# Altium PCB EPROM Emulator NG 2.PcbDoc (part 1 of 2)
Units mm, origin at the board's own origin, x right, y up, seen from the top; angles counter-clockwise.
Board outline 68.07 x 37.39 mm, 2 copper layers (Top Layer, Bottom Layer), stack 1.569 mm thick; 55 components, 111 nets, 358 pads, 137 vias.
Unrouted connection lines stored in the file: 1.
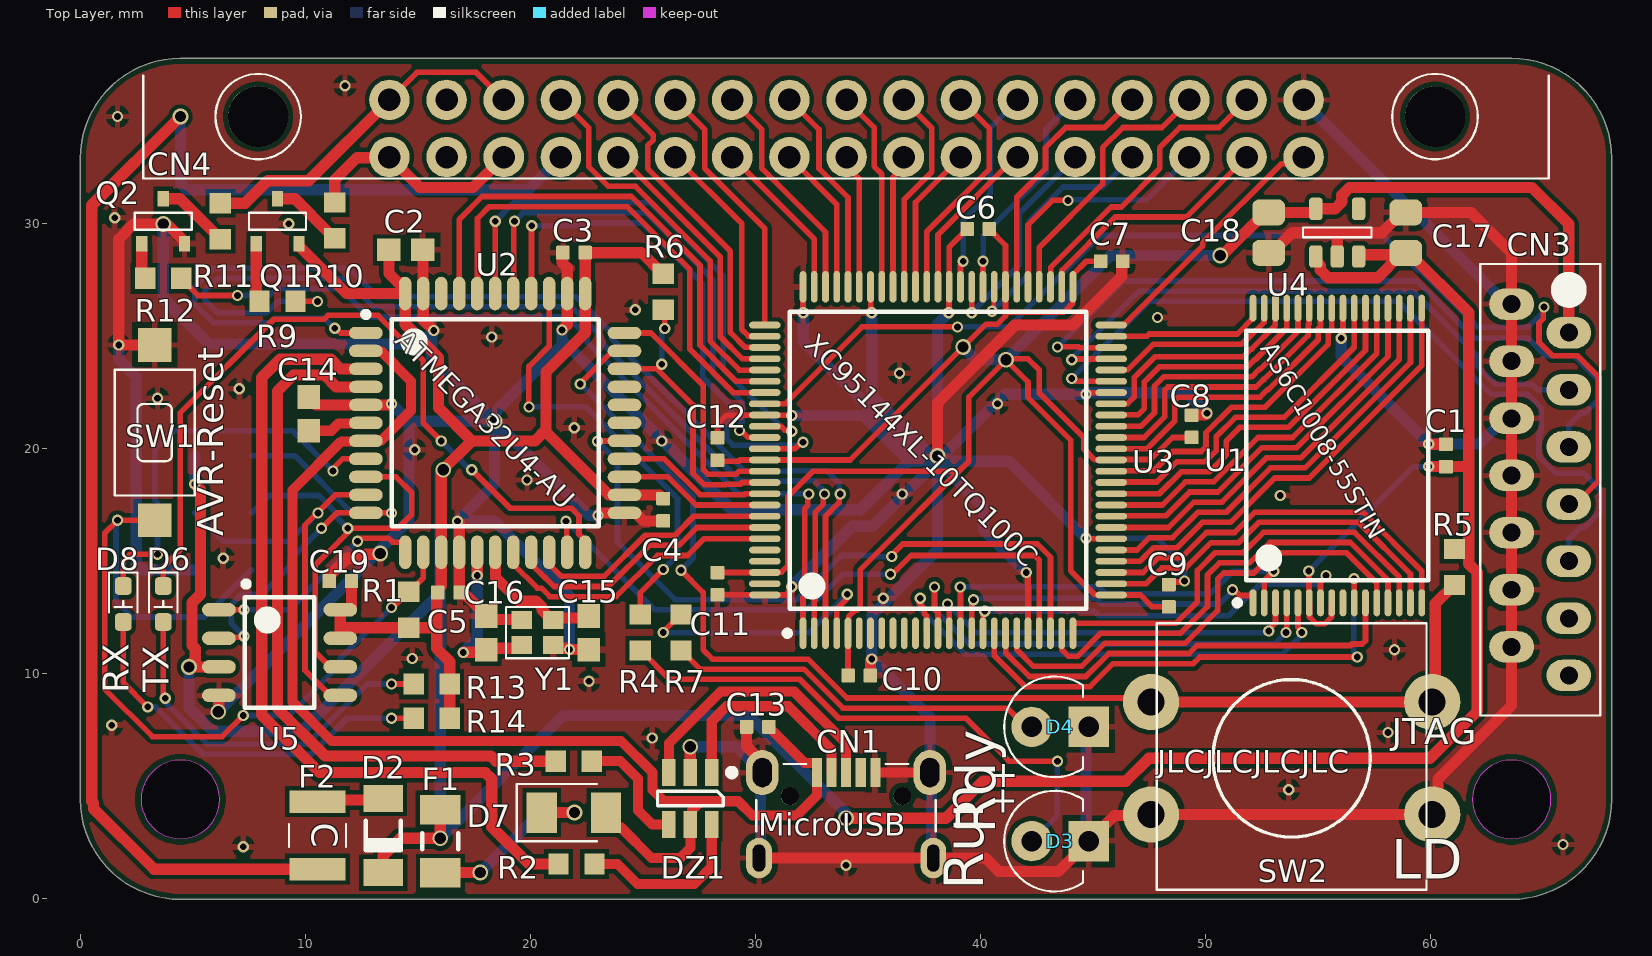
[diagram p0: Top Layer view]
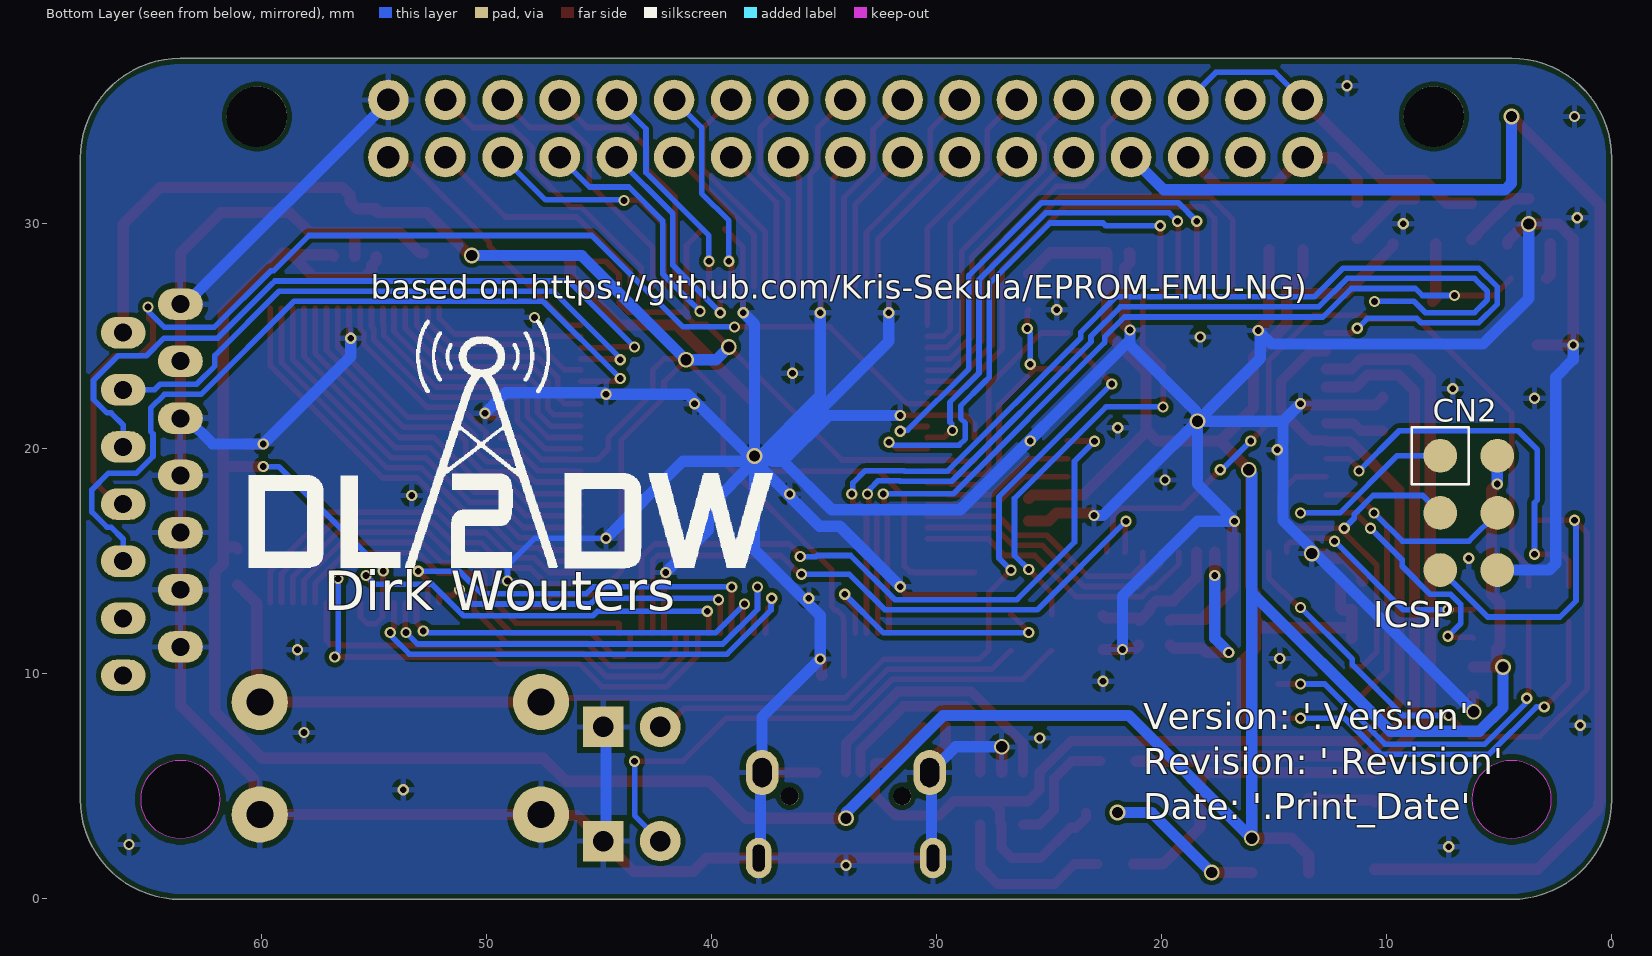
[diagram p1: Bottom Layer view, seen from below]
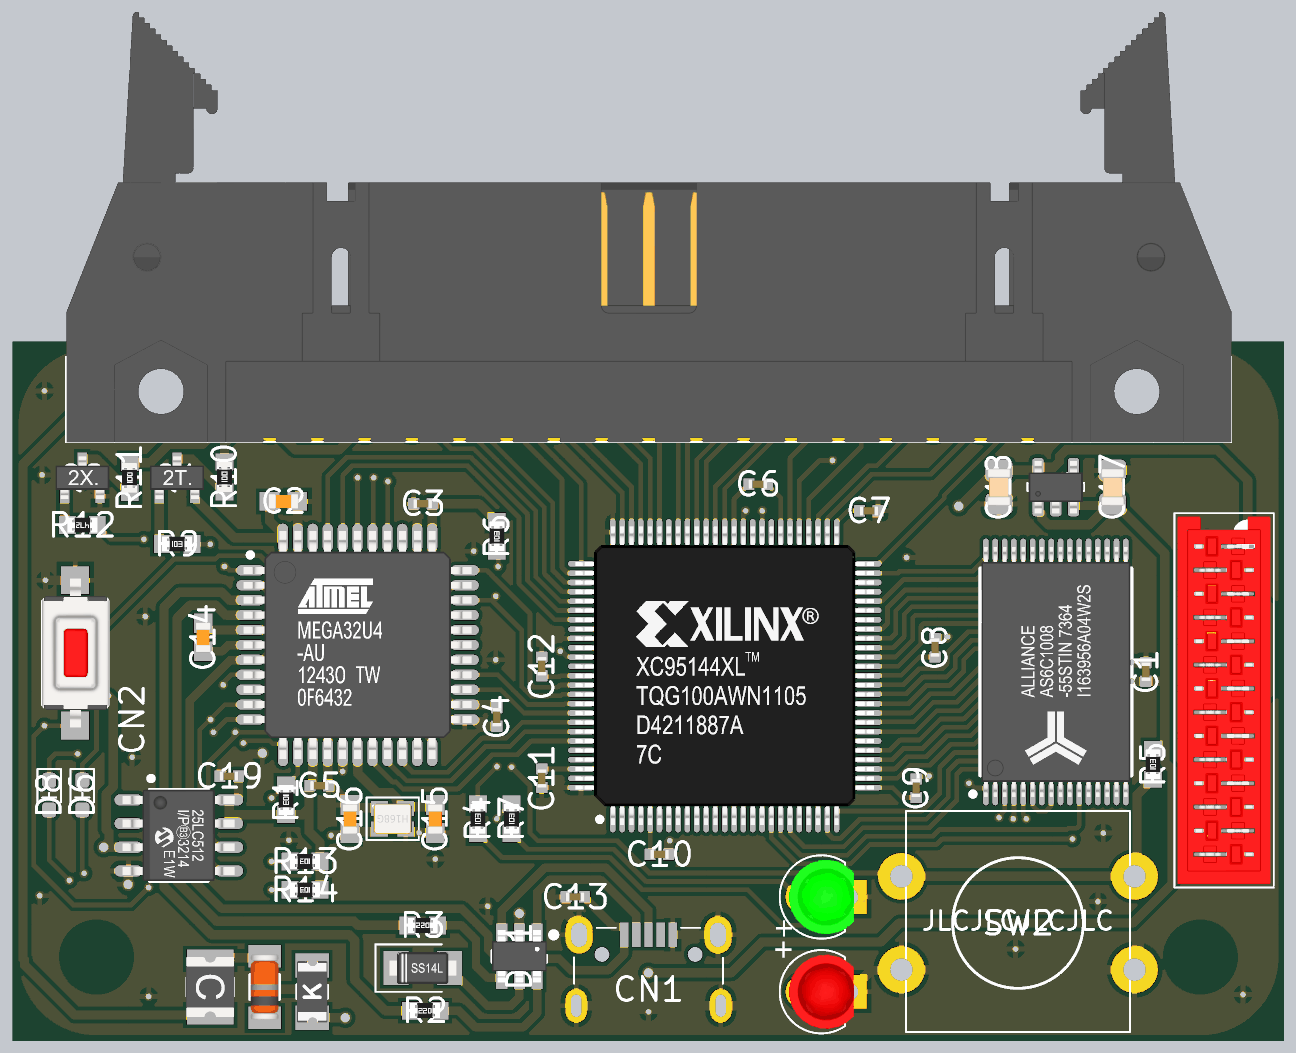
[diagram p3: 3D render of the assembled board from above, using the file's embedded part models]

## Layer stack, top to bottom
Top Solder: solder mask 0.0254, SM-001, Dk 4
Top Layer: signal copper 0.035
Dielectric 1: core 1.4986, Core-043, Dk 4.3
Bottom Layer: signal copper 0.035
Bottom Solder: solder mask 0.0254, SM-001, Dk 4

## Board outline
0,4.397 0,32.893 cw(c4.445,32.893) 4.445,37.338 63.627,37.338 cw(c63.627,32.893) 68.072,32.893 68.072,4.397 cw(c63.627,4.397) 63.627,-0.048 4.445,-0.048 cw(c4.445,4.397)
cut-out: 61.877,4.397 ccw(c63.627,4.397) 63.627,2.647 ccw(c63.627,4.397) 65.377,4.397 ccw(c63.627,4.397) 63.627,6.147 ccw(c63.627,4.397)
cut-out: 2.695,4.397 ccw(c4.445,4.397) 4.445,2.647 ccw(c4.445,4.397) 6.195,4.397 ccw(c4.445,4.397) 4.445,6.147 ccw(c4.445,4.397)

## Design rules (kind name [scope] priority, off if disabled: settings)
BoardOutlineClearance [All] p1: gap=0.254 ignorepadtopadclearanceinfootprint=FALSE
Clearance [All] p1: gap=0.2 ignorepadtopadclearanceinfootprint=TRUE
ComponentClearance ComponentClearance_Sheet [HasFootprint('PCB Title Block DIN A4')] p1: gap=0 collisioncheckmode=3 verticalgap=0 showdistances=FALSE
ComponentClearance [All] p2: gap=0.254 collisioncheckmode=3 verticalgap=0.254 showdistances=FALSE
HoleSize [All] p1: absolutevalues=TRUE maxlimit=5 minlimit=0.025 maxpercent=80.000 minpercent=20.000
MinimumSolderMaskSliver [All] p1: minsoldermaskwidth=0.103
PolygonConnect [All] p1: connectstyle=Relief reliefconductorwidth=0.254 reliefentries=4 polygonreliefangle="90 Angle" airgapwidth=0.254
RoutingVias RoutingVias_Power [(InNet('VCC') OR InNet('GND') OR InNet('+5V'))] p1: holewidth=0.3 width=0.5 viastyle="Through Hole" minholewidth=0.3 minwidth=0.5 maxholewidth=0.5 maxwidth=0.7
RoutingVias [All] p2: holewidth=0.3 width=0.5 viastyle="Through Hole" minholewidth=0.3 minwidth=0.5 maxholewidth=0.5 maxwidth=0.7
SilkToSilkClearance [All] p1: silktosilkclearance=0
SilkToSolderMaskClearance [IsPad] p1: minsilkscreentomaskgap=0 clearancetoexposedcopper=TRUE
SolderMaskExpansion [All] p1: expansion=0.038 istentingtop=FALSE
UnRoutedNet [All] p1: checkbadconnections=TRUE
Width Width_Power [(InNet('VCC') OR InNet('GND') OR InNet('+5V'))] p1: maxlimit=0.5 minlimit=0.25 preferedwidth=0.5
Width [All] p2: maxlimit=0.5 minlimit=0.2 preferedwidth=0.25
24 further rules are at their usual default settings.

## Components (designator, comment, footprint, x,y, rotation, side; value= is the part's Value field where it differs from the comment)
C1 "100nF" "CAP CER SMD 0402 100nF 10V Murata GRM155R71A104KA01D" 60.706,19.685 r270 top
C2 "1µF" "CAP 1µF SMD 0603 C0603C105K3RACTU" 14.466,28.829 r180 top
C3 "100nF" "CAP CER SMD 0402 100nF 10V Murata GRM155R71A104KA01D" 21.945,28.702 r0 top
C4 "100nF" "CAP CER SMD 0402 100nF 10V Murata GRM155R71A104KA01D" 25.908,17.272 r90 top
C5 "100nF" "CAP CER SMD 0402 100nF 10V Murata GRM155R71A104KA01D" 16.383,13.589 r180 top
C6 "100nF" "CAP CER SMD 0402 100nF 10V Murata GRM155R71A104KA01D" 39.915,29.752 r0 top
C7 "100nF" "CAP CER SMD 0402 100nF 10V Murata GRM155R71A104KA01D" 45.847,28.321 r180 top
C8 "100nF" "CAP CER SMD 0402 100nF 10V Murata GRM155R71A104KA01D" 49.403,20.982 r270 top
C9 "100nF" "CAP CER SMD 0402 100nF 10V Murata GRM155R71A104KA01D" 48.387,13.449 r270 top
C10 "100nF" "CAP CER SMD 0402 100nF 10V Murata GRM155R71A104KA01D" 34.621,9.906 r180 top
C11 "100nF" "CAP CER SMD 0402 100nF 10V Murata GRM155R71A104KA01D" 28.321,13.986 r90 top
C12 "100nF" "CAP CER SMD 0402 100nF 10V Murata GRM155R71A104KA01D" 28.321,19.977 r270 top
C13 "100nF" "CAP CER SMD 0402 100nF 10V Murata GRM155R71A104KA01D" 30.112,7.62 r0 top
C14 "1µF" "CAP 1µF SMD 0603 C0603C105K3RACTU" 10.16,21.536 r90 top
C15 "22pF" "CAP 22pF SMD 0603 C0603C220J5RAC7867" 22.606,11.8 r90 top
C16 "22pF" "CAP 22pF SMD 0603 C0603C220J5RAC7867" 18.034,11.8 r270 top
C17 "10µF" "Kemet C0805CxxxK8RACTU Series H=1.4mm" 58.922,29.591 r270 top
C18 "10µF" "Kemet C0805CxxxK8RACTU Series H=1.4mm" 52.826,29.591 r90 top
C19 "100nF" "CAP CER SMD 0402 100nF 10V Murata GRM155R71A104KA01D" 11.557,14.097 r0 top
CN1 "MicroUSB" "MicroUSB Connector Right Angle Receptacle (Würth 629105150521)" 34.036,2.667 r0 top locked
CN2 "ICSP" "SMD PAD CONN 02x03 odd even" 6.35,17.133 r270 bottom
CN3 "JTAG" "MPE 369-1-014 Buchsenleisten MicroMatch 1,27 mm,2X10,gerade" 64.897,18.161 r270 top locked
CN4 "Connector to EPROM Socket" "IDC Header 2x17 Right Angle with Lock" 13.741,32.952 r0 top locked
D2 "TMMBAT48FILM" "MiniMELF Diode" 13.462,2.79 r90 top
D3 "Run" "LED 3mm Red Straight" 44.831,2.54 r270 top
D4 "Rdy" "LED 3mm Green Straight" 44.831,7.62 r270 top
D6 "TX" "LED Yellow SMD 0603" 3.683,13.081 r270 top
D7 "SS14FL-TP" SS14FL 21.938,3.81 r0 top
D8 "RX" "LED Yellow SMD 0603" 1.905,13.081 r270 top
DZ1 "USBLC6-2SC6" USBLC6-2SC6 27.117,4.438 r270 top
F1 "1206L150THWR" "Littelfuse 1206L150THWR" 16.002,2.54 r90 top
F2 "1210L020WR" "PTC Littlefuse 1210L020WR" 10.541,2.794 r270 top
Q1 "MMBT4403LT1G" "MMBT4403 SOT23" 8.763,30.099 r0 top
Q2 "MMBT4401" "MMBT4401 SOT23" 3.683,30.099 r0 top
R1 "1k" "1k Ohm R 0603 SMD" 14.605,12.827 r270 top
R2 "22" "22 Ohm R 0603 SMD" 22.06,1.524 r180 top
R3 "22" "22 Ohm R 0603 SMD" 21.933,6.096 r180 top
R4 "1k" "1k Ohm R 0603 SMD" 24.892,11.811 r90 top
R5 "10k" "10k Ohm R 0603 SMD" 61.087,14.732 r90 top
R6 "10k" "10k Ohm R 0603 SMD" 25.908,26.962 r90 top
R7 "1k" "1k Ohm R 0603 SMD" 26.699,11.811 r90 top
R9 "10k" "10k Ohm R 0603 SMD" 8.763,26.543 r0 top
R10 "10" "10R Ohm R 0603 SMD" 11.303,30.137 r90 top
R11 "10" "10R Ohm R 0603 SMD" 6.223,30.099 r90 top
R12 "4k7" "4,7k Ohm R 0603 SMD" 3.683,27.559 r180 top
R13 "1k" "1k Ohm R 0603 SMD" 15.621,9.525 r180 top
R14 "1k" "1k Ohm R 0603 SMD" 15.621,8.001 r180 top
SW1 "AVR-Reset" "Tactile Switch Push Button 6x3.6mm H2.5mm SMD RS-282G05A3-SM RT" 3.302,20.701 r270 top
SW2 "LD" "Push Button 12x12mm H8.50mm THT" 53.848,6.223 r180 top
U1 "AS6C1008-55STIN" AS6C1008-55STIN 55.88,19.685 r90 top locked
U2 "ATMEGA32U4-AU" ATmega32U4-AU 18.44,21.133 r0 top locked
U3 "XC95144XL-10TQ100C" "TQFP-100 P0.5mm XC95144XL-7TQ100C" 38.125,19.482 r90 top locked
U4 "SPX5205M5-L-3-3/TR" SOT-23-5 55.874,29.591 r0 top
U5 "25LC512-I/SN" "25LC512 SOIC-8" 8.857,10.922 r0 top locked
Y1 "16MHz" "Crystal 16MHz SMD 2.0x1.6mm 4pos GND2-4" 20.32,11.811 r180 top

## Footprints (in the part's own frame and the unit in brackets; to place one, negate y for a bottom-side part, rotate by r counter-clockwise, add the part's x,y. Pads: shape width x height; smd on the part's side, far side on the other; paste and mask are expansions set on the pad)
"1k Ohm R 0603 SMD" [mm] "Chip Resistor 2-Leads, Body 1,60x0,80mm, IPC Medium Density"
  rect 0.9x0.95 smd: 1(-0.8,0) 2(0.8,0)
  body extent -0.8,-0.4 0.8,0.4, height 0.45
"4,7k Ohm R 0603 SMD" [mm] "Chip Resistor 2-Leads, Body 1,60x0,80mm, IPC Medium Density"
  rect 0.9x0.95 smd: 1(-0.8,0) 2(0.8,0)
  body extent -0.8,-0.4 0.8,0.4, height 0.44
"10k Ohm R 0603 SMD" [mm] "Chip Resistor 2-Leads, Body 1,60x0,80mm, IPC Medium Density"
  rect 0.9x0.95 smd: 1(-0.8,0) 2(0.8,0)
  body extent -0.8,-0.4 0.8,0.4, height 0.45
"10R Ohm R 0603 SMD" [mm] "Chip Resistor 2-Leads, Body 1,60x0,80mm, IPC Medium Density"
  rect 0.9x0.95 smd: 1(-0.8,0) 2(0.8,0)
  body extent -0.8,-0.4 0.8,0.4, height 0.45
"22 Ohm R 0603 SMD" [mm] "Chip Resistor 2-Leads, Body 1,60x0,80mm, IPC Medium Density"
  rect 0.9x0.95 smd: 1(-0.8,0) 2(0.8,0)
  body extent -0.8,-0.4 0.8,0.4, height 0.45
"25LC512 SOIC-8" [mm] "SOIC, 8-Leads, Body 4,90x3,90mm, Pitch 1,27mm, IPC Medium Density"
  oval 1.5x0.6 smd: 1(-2.7,1.905) 2(-2.7,0.635) 3(-2.7,-0.635) 4(-2.7,-1.905) 5(2.7,-1.905) 6(2.7,-0.635) 7(2.7,0.635) 8(2.7,1.905)
  silkscreen extent -1.62,-2.45 1.55,3.17, body extent -3.01,-2.45 2.99,2.45, height 1.73
AS6C1008-55STIN [mm] "SRAM Speicher; 128kx8bit; 2,7÷5,5V; 55ns; STSOP32; parallel"
  oval 1.2x0.3 smd: 1(-6.55,3.75) 2(-6.55,3.25) 3(-6.55,2.75) 4(-6.55,2.25) 5(-6.55,1.75) 6(-6.55,1.25) 7(-6.55,0.75) 8(-6.55,0.25) 9(-6.55,-0.25) 10(-6.55,-0.75) 11(-6.55,-1.25) 12(-6.55,-1.75) 13(-6.55,-2.25) 14(-6.55,-2.75) 15(-6.55,-3.25) 16(-6.55,-3.75) 17(6.55,-3.75) 18(6.55,-3.25) 19(6.55,-2.75) 20(6.55,-2.25) 21(6.55,-1.75) 22(6.55,-1.25) 23(6.55,-0.75) 24(6.55,-0.25) 25(6.55,0.25) 26(6.55,0.75) 27(6.55,1.25) 28(6.55,1.75) 29(6.55,2.25) 30(6.55,2.75) 31(6.55,3.25) 32(6.55,3.75)
  silkscreen extent -6.67,-4.05 5.55,4.57, body extent -6.7,-4 6.7,4, height 1.13
ATmega32U4-AU [mm] "TQFP, 44-Leads, Body 10,00x10,00mm, Pitch 0,80mm, IPC Medium Density"
  oval 1.5x0.55 smd: 1(-5.75,4) 2(-5.75,3.2) 3(-5.75,2.4) 4(-5.75,1.6) 5(-5.75,0.8) 6(-5.75,0) 7(-5.75,-0.8) 8(-5.75,-1.6) 9(-5.75,-2.4) 10(-5.75,-3.2) 11(-5.75,-4) 23(5.75,-4) 24(5.75,-3.2) 25(5.75,-2.4) 26(5.75,-1.6) 27(5.75,-0.8) 28(5.75,0) 29(5.75,0.8) 30(5.75,1.6) 31(5.75,2.4) 32(5.75,3.2) 33(5.75,4)
  oval 0.55x1.5 smd: 12(-4,-5.75) 13(-3.2,-5.75) 14(-2.4,-5.75) 15(-1.6,-5.75) 16(-0.8,-5.75) 17(0,-5.75) 18(0.8,-5.75) 19(1.6,-5.75) 20(2.4,-5.75) 21(3.2,-5.75) 22(4,-5.75) 34(4,5.75) 35(3.2,5.75) 36(2.4,5.75) 37(1.6,5.75) 38(0.8,5.75) 39(0,5.75) 40(-0.8,5.75) 41(-1.6,5.75) 42(-2.4,5.75) 43(-3.2,5.75) 44(-4,5.75)
  silkscreen extent -5.87,-4.6 4.6,4.95, body extent -6.11,-6.11 6.11,6.11, height 1.1
"CAP 1µF SMD 0603 C0603C105K3RACTU" [mm] "Chip Capacitor, 2-Leads, Body 1,60x0,80mm, IPC Medium Density"
  rect 1.05x1 smd: 1(-0.75,0) 2(0.75,0)
  body extent -0.8,-0.4 0.8,0.4, height 0.87
"CAP 22pF SMD 0603 C0603C220J5RAC7867" [mm] "Chip Capacitor, 2-Leads, Body 1,60x0,80mm, IPC Medium Density"
  rect 1.05x1 smd: 1(-0.75,0) 2(0.75,0)
  body extent -0.8,-0.4 0.8,0.4, height 0.87
"CAP CER SMD 0402 100nF 10V Murata GRM155R71A104KA01D" [mm] "Chip Capacitor, 2-Leads, Body 1,00x0,50mm, IPC Medium Density"
  rrect15% 0.6x0.62 smd: 1(-0.495,0) 2(0.495,0)
  body extent -0.51,-0.25 0.49,0.25, height 0.5
"Crystal 16MHz SMD 2.0x1.6mm 4pos GND2-4" [mm]
  rect 0.9x0.8 smd: 1(-0.7,-0.55) 2(0.7,-0.55) 3(0.7,0.55) 4(-0.7,0.55)
  silkscreen extent -1.4,-1.14 1.4,1.14, body extent -1.03,-0.82 1.02,0.83, height 0.45
"IDC Header 2x17 Right Angle with Lock" [mm]
  round 1.8 hole 1: 1(0,0) 2(0,2.54) 3(2.54,0) 4(2.54,2.54) 5(5.08,0) 6(5.08,2.54) 7(7.62,0) 8(7.62,2.54) 9(10.16,0) 10(10.16,2.54) 11(12.7,0) 12(12.7,2.54) 13(15.24,0) 14(15.24,2.54) 15(17.78,0) 16(17.78,2.54) 17(20.32,0) 18(20.32,2.54) 19(22.86,0) 20(22.86,2.54) 21(25.4,0) 22(25.4,2.54) 23(27.94,0) 24(27.94,2.54) 25(30.48,0) 26(30.48,2.54) 27(33.02,0) 28(33.02,2.54) 29(35.56,0) 30(35.56,2.54) 31(38.1,0) 32(38.1,2.54) 33(40.64,0) 34(40.64,2.54)
  round 2.69 hole 2.69 unplated: ""(-5.84,1.8) ""(46.48,1.8)
  silkscreen extent -10.95,-0.95 51.54,3.7, body extent -10.92,-0.97 51.56,22.12, height 8.53
"Kemet C0805CxxxK8RACTU Series H=1.4mm" [mm]
  rrect50% 1.15x1.45 smd: 1(-0.9,0) 2(0.9,0)
  body extent -1,-0.62 1,0.62, height 1.4
"LED 3mm Green Straight" [mm]
  rect 1.8x1.8 hole 0.9: 1(0,0)
  round 1.8 hole 0.9: 2(0,-2.54)
  silkscreen extent -2.24,-3.76 2.24,-0.25, body extent -2,-3.27 2,0.23, height 6
"LED 3mm Red Straight" [mm]
  rect 1.8x1.8 hole 0.9: 1(0,0)
  round 1.8 hole 0.9: 2(0,-2.54)
  silkscreen extent -2.24,-3.76 2.24,-0.25, body extent -2,-3.27 2,0.23, height 6
"LED Yellow SMD 0603" [mm]
  rrect50% 0.8x0.75 smd: 1(-0.8,0) 2(0.8,0)
  silkscreen extent -1.4,-0.64 0.38,0.64, body extent -0.8,-0.4 0.8,0.4, height 0.4
"Littelfuse 1206L150THWR" [mm] "Littelfuse 1206L150THWR"
  rect 1.3x1.8 smd: 1(-1.4,0) 2(1.4,0)
  silkscreen extent -0.35,-0.8 0.35,0.8, body extent -1.65,-0.81 1.65,0.82, height 0.82
"MicroUSB Connector Right Angle Receptacle (Würth 629105150521)" [mm]
  rect 0.45x1.3 smd: 1(-1.295,2.921) 2(-0.645,2.921) 3(0.005,2.921) 4(0.655,2.921) 5(1.305,2.921)
  oval 1.45x2 hole 1.3 slot 0.85 at 0 deg: 6(-3.72,2.921) 7(3.73,2.921)
  oval 1.15x1.8 hole 1.2 slot 0.55 at 0 deg: 8(-3.87,-0.879) 9(3.88,-0.879)
  round 0.8 hole 0.8 unplated: 10(-2.495,1.871) 11(2.505,1.871)
  silkscreen extent -3.99,0.3 3.99,3.3, body extent -4,-3.3 4,3.3, height 2.77
"MiniMELF Diode" [mm] "MELF Diode, 2-Leads, Body 3,50x1,50mm, IPC Medium Density"
  rect 1.2x1.75 smd: 1(-1.65,0) 2(1.65,0)
  silkscreen extent -0.65,-0.77 0.65,0.78, body extent -1.75,-0.75 1.75,0.75, height 1.5
"MMBT4401 SOT23" [mm]
  rect 0.5x0.7 smd: 1(-0.95,-1) 2(0.95,-1) 3(0,1)
  silkscreen extent -1.27,-0.38 1.27,0.38, body extent -1.45,-1.15 1.45,1.15, height 1
"MMBT4403 SOT23" [mm]
  rect 0.5x0.7 smd: 1(-0.95,-1) 2(0.95,-1) 3(0,1)
  silkscreen extent -1.27,-0.38 1.27,0.38, body extent -1.45,-1.15 1.45,1.15, height 1
"MPE 369-1-014 Buchsenleisten MicroMatch 1,27 mm,2X10,gerade" [mm]
  oval 1.4x2 hole 0.8: 1(-8.255,-1.27) 2(-6.985,1.27) 3(-5.715,-1.27) 4(-4.445,1.27) 5(-3.175,-1.27) 6(-1.905,1.27) 7(-0.635,-1.27) 8(0.635,1.27) 9(1.905,-1.27) 10(3.175,1.27) 11(4.445,-1.27) 12(5.715,1.27) 13(6.985,-1.27) 14(8.255,1.27)
  silkscreen extent -10.03,-2.67 10.03,2.67, body extent -9.85,-2.5 9.85,2.5, height 3.95
"PTC Littlefuse 1210L020WR" [mm]
  rect 1x2.5 smd: 1(-1.5,0) 2(1.5,0)
  silkscreen extent -0.51,-1.27 0.51,1.27, body extent -1.61,-1.29 1.61,1.29, height 0.8
"Push Button 12x12mm H8.50mm THT" [mm]
  round 2.5 hole 1.2: 1(-6.25,2.5) 2(6.25,2.5) 3(-6.25,-2.5) 4(6.25,-2.5)
  silkscreen extent -6,-6.01 6,5.84, body extent -7,-6 7,6, height 8.35
"SMD PAD CONN 02x03 odd even" [mm]
  round 1.5 smd paste-1: 1(-2.54,-1.27) 2(-2.54,1.27) 3(0,-1.27) 4(0,1.27) 5(2.54,-1.27) 6(2.54,1.27)
  silkscreen extent -3.81,-2.54 -1.27,0
SOT-23-5 [mm]
  rrect50% 0.6x1 smd: 1(-0.95,-1.06) 2(0,-1.06) 3(0.95,-1.06) 4(0.95,1.06) 5(-0.95,1.06)
  silkscreen extent -1.52,-0.2 1.52,0.23, body extent -1.45,-1.41 1.45,1.41, height 1.3
SS14FL [mm] "Dioden Schottky 40V 1A Oberflächenmontage DO-221AC (SMA-FL)"
  rect 1.34x1.8 smd: 1(-1.43,0) 2(1.43,0)
  silkscreen extent -2.54,-1.27 1.02,1.27, body extent -1.8,-0.86 1.8,0.86, height 1.04
"Tactile Switch Push Button 6x3.6mm H2.5mm SMD RS-282G05A3-SM RT" [mm] "SWITCH TACTILE SPST-NO 0.05A 12V"
  rect 1.5x1.5 smd: 1(-3.9,0) 2(3.9,0)
  silkscreen extent -2.79,-1.78 2.79,1.78, body extent -4,-1.78 4,1.82, height 2.5
"TQFP-100 P0.5mm XC95144XL-7TQ100C" [mm] "TSQFP, 100-Leads, Body 14,00x14,00mm, Pitch 0,50mm, IPC Medium Density"
  oval 1.4x0.3 smd: 1(-7.7,6) 2(-7.7,5.5) 3(-7.7,5) 4(-7.7,4.5) 5(-7.7,4) 6(-7.7,3.5) 7(-7.7,3) 8(-7.7,2.5) 9(-7.7,2) 10(-7.7,1.5) 11(-7.7,1) 12(-7.7,0.5) 13(-7.7,0) 14(-7.7,-0.5) 15(-7.7,-1) 16(-7.7,-1.5) 17(-7.7,-2) 18(-7.7,-2.5) 19(-7.7,-3) 20(-7.7,-3.5) 21(-7.7,-4) 22(-7.7,-4.5) 23(-7.7,-5) 24(-7.7,-5.5) 25(-7.7,-6) 51(7.7,-6) 52(7.7,-5.5) 53(7.7,-5) 54(7.7,-4.5) 55(7.7,-4) 56(7.7,-3.5) 57(7.7,-3) 58(7.7,-2.5) 59(7.7,-2) 60(7.7,-1.5) 61(7.7,-1) 62(7.7,-0.5) 63(7.7,0) 64(7.7,0.5) 65(7.7,1) 66(7.7,1.5) 67(7.7,2) 68(7.7,2.5) 69(7.7,3) 70(7.7,3.5) 71(7.7,4) 72(7.7,4.5) 73(7.7,5) 74(7.7,5.5) 75(7.7,6)
  oval 0.3x1.4 smd: 26(-6,-7.7) 27(-5.5,-7.7) 28(-5,-7.7) 29(-4.5,-7.7) 30(-4,-7.7) 31(-3.5,-7.7) 32(-3,-7.7) 33(-2.5,-7.7) 34(-2,-7.7) 35(-1.5,-7.7) 36(-1,-7.7) 37(-0.5,-7.7) 38(0,-7.7) 39(0.5,-7.7) 40(1,-7.7) 41(1.5,-7.7) 42(2,-7.7) 43(2.5,-7.7) 44(3,-7.7) 45(3.5,-7.7) 46(4,-7.7) 47(4.5,-7.7) 48(5,-7.7) 49(5.5,-7.7) 50(6,-7.7) 76(6,7.7) 77(5.5,7.7) 78(5,7.7) 79(4.5,7.7) 80(4,7.7) 81(3.5,7.7) 82(3,7.7) 83(2.5,7.7) 84(2,7.7) 85(1.5,7.7) 86(1,7.7) 87(0.5,7.7) 88(0,7.7) 89(-0.5,7.7) 90(-1,7.7) 91(-1.5,7.7) 92(-2,7.7) 93(-2.5,7.7) 94(-3,7.7) 95(-3.5,7.7) 96(-4,7.7) 97(-4.5,7.7) 98(-5,7.7) 99(-5.5,7.7) 100(-6,7.7)
  silkscreen extent -7.82,-6.6 6.6,6.82, body extent -8.01,-8.01 8.01,8.01, height 1.5
USBLC6-2SC6 [mm] "ESD Suppressors / TVS Diodes ESD Protection Low Cap"
  rect 1.2x0.6 smd: 1(-1.15,0.95) 2(-1.15,0) 3(-1.15,-0.95) 4(1.15,-0.95) 5(1.15,0) 6(1.15,0.95)
  silkscreen extent -1.25,-1.46 0.32,1.94, body extent -1.4,-1.46 1.4,1.46, height 1.17
